# Allegro board 8880F5-0824_updates.brd (continued)
## Routing (per net, layer and track width the routed paths; a pad name or vN(x,y) marks a point on that pad's centre or on a via; arc(x,y) is an arc through that point) (continued)
D130.B14 118.57,81.28 ; D130.B14 119.38,82.09 ; D130.B14 119.38,80.47 ; 27.13,73.66 D126.A7 ; D126.A7 27.94,74.47 ; D126.A7 28.75,73.66 ; D126.A7 27.94,72.85 ; 241.3,70.41 D322.B4 ; D322.B4 241.3,71.83 ; D322.B4 240.59,71.12 ; D322.B4 242.01,71.12 ; D302.B1 307.34,69.29 ; D302.B1 306.63,68.58 ; D302.B1 307.34,67.87 ; D302.B1 308.05,68.58 ; D112.A11 396.24,397.05 ; D112.A11 395.43,396.24 ; D112.A11 397.05,396.24 ; D112.A11 396.24,395.43 ; 123.65,76.2 D130.A16 ; D130.A16 125.27,76.2 ; D130.A16 124.46,77.01 ; D130.A16 124.46,75.39 ; 410.67,396.24 D112.A5 ; D112.A5 412.29,396.24 ; D112.A5 411.48,397.05 ; D112.A5 411.48,395.43 ; D113.A14 314.96,333.55 ; D113.A14 314.15,332.74 ; D113.A14 314.96,331.93 ; D113.A14 315.77,332.74 ; D302.B3 312.42,69.29 ; D302.B3 313.13,68.58 ; D302.B3 311.71,68.58 ; D302.B3 312.42,67.87 ; 322.58,88.19 D301.B7 ; D301.B7 323.29,88.9 ; D301.B7 322.58,89.61 ; D301.B7 321.87,88.9 ; D132.A5 96.52,33.83 ; D132.A5 97.33,33.02 ; D132.A5 96.52,32.21 ; D132.A5 95.71,33.02 ; 420.83,355.6 D110.A1 ; D110.A1 421.64,356.41 ; D110.A1 421.64,354.79 ; D110.A1 422.45,355.6 ; 382.83,91.44 D305.B2 ; D305.B2 383.54,92.15 ; D305.B2 383.54,90.73 ; D305.B2 384.25,91.44 ; CSDPS425.B12 247.19,342.9 ; CSDPS425.B12 246.38,342.09 ; CSDPS425.B12 245.57,342.9 ; CSDPS425.B12 246.38,343.71 ; D109.B6 409.75,327.66 ; D109.B6 408.13,327.66 ; D109.B6 408.94,326.85 ; D109.B6 408.94,328.47 ; D107.A12 408.94,56.69 ; D107.A12 409.75,55.88 ; D107.A12 408.13,55.88 ; D107.A12 408.94,55.07 ; D113.B11 322.58,331.01 ; D113.B11 323.39,330.2 ; D113.B11 322.58,329.39 ; D113.B11 321.77,330.2 ; 243.13,63.5 D322.A5 ; D322.A5 243.84,64.21 ; D322.A5 244.55,63.5 ; D322.A5 243.84,62.79 ; D119.B10 182.88,61.77 ; D119.B10 182.88,60.15 ; D119.B10 183.69,60.96 ; D119.B10 182.07,60.96 ; D130.B3 92.25,78.74 ; D130.B3 91.44,77.93 ; D130.B3 91.44,79.55 ; D120.A8 177.8,36.37 ; D120.A8 176.99,35.56 ; D120.A8 177.8,34.75 ; D120.A8 178.61,35.56 ; D123.B16 272.59,60.96 ; D123.B16 270.97,60.96 ; D123.B16 271.78,60.15 ; D123.B16 271.78,61.77 ; D112.B4 414.83,388.62 ; D112.B4 413.21,388.62 ; D112.B4 414.02,389.43 ; D112.B4 414.02,387.81 ; 169.37,58.42 D119.B5 ; D119.B5 170.18,59.23 ; D119.B5 170.99,58.42 ; 123.65,40.64 D132.B16 ; D132.B16 124.46,41.45 ; D132.B16 125.27,40.64 ; 414.02,90.73 D305.B14 ; D305.B14 413.31,91.44 ; D305.B14 414.02,92.15 ; D305.B14 414.73,91.44 ; 385.37,88.9 D305.B3 ; D305.B3 386.79,88.9 ; D305.B3 386.08,89.61 ; D305.B3 386.08,88.19 ; 261.62,70.41 D322.B12 ; D322.B12 260.91,71.12 ; D322.B12 261.62,71.83 ; D322.B12 262.33,71.12 ; 240.49,81.28 D122.B4 ; D122.B4 241.3,80.47 ; D122.B4 242.11,81.28 ; D122.B4 241.3,82.09 ; 270.97,35.56 D124.A16 ; D124.A16 271.78,36.37 ; D124.A16 271.78,34.75 ; D124.A16 272.59,35.56 ; D431.B15 165.1,381.81 ; D431.B15 164.29,381 ; D431.B15 165.91,381 ; D431.B15 165.1,380.19 ; D120.B12 187.96,41.45 ; D120.B12 187.15,40.64 ; D120.B12 188.77,40.64 ; D120.B12 187.96,39.83 ; D231.A8 182.88,374.19 ; D231.A8 183.69,373.38 ; D231.A8 182.07,373.38 ; D231.A8 182.88,372.57 ; 88.09,40.64 D132.B2 ; D132.B2 89.71,40.64 ; D132.B2 88.9,41.45 ; D132.B2 88.9,39.83 ; 238.76,83.11 D321.A3 ; D321.A3 239.47,83.82 ; D321.A3 238.76,84.53 ; D321.A3 238.05,83.82 ; 309.88,90.73 D301.B2 ; D301.B2 309.17,91.44 ; D301.B2 310.59,91.44 ; D301.B2 309.88,92.15 ; 403.86,326.85 D109.B8 ; D109.B8 403.05,327.66 ; D109.B8 404.67,327.66 ; D109.B8 403.86,328.47 ; D122.A6 247.19,76.2 ; D122.A6 245.57,76.2 ; D122.A6 246.38,75.39 ; D122.A6 246.38,77.01 ; D128.A10 36.37,35.56 ; D128.A10 35.56,36.37 ; D128.A10 34.75,35.56 ; D128.A10 35.56,34.75 ; D120.B6 173.53,40.64 ; D120.B6 172.72,41.45 ; D120.B6 171.91,40.64 ; D120.B6 172.72,39.83 ; 160.02,83.11 D317.A1 ; D317.A1 160.73,83.82 ; D317.A1 159.31,83.82 ; D317.A1 160.02,84.53 ; D102.B14 340.36,82.09 ; D102.B14 341.17,81.28 ; D102.B14 340.36,80.47 ; D102.B14 339.55,81.28 ; D120.A13 191.31,33.02 ; D120.A13 190.5,33.83 ; D120.A13 189.69,33.02 ; D120.A13 190.5,32.21 ; D317.A3 165.1,84.53 ; D317.A3 164.39,83.82 ; D317.A3 165.1,83.11 ; D317.A3 165.81,83.82 ; D104.B4 315.77,40.64 ; D104.B4 314.96,39.83 ; D104.B4 314.15,40.64 ; D104.B4 314.96,41.45 ; DPS8.C01 200.66,411.02 ; DPS8.C01 201.47,410.21 ; DPS8.C01 200.66,409.4 ; DPS8.C01 199.85,410.21 ; D131.A2 89.71,55.88 ; D131.A2 88.9,56.69 ; D131.A2 88.9,55.07 ; D131.A2 88.09,55.88 ; 12.7,32.21 D128.A1 ; D128.A1 12.7,33.83 ; D128.A1 13.51,33.02 ; D128.A1 11.89,33.02 ; 247.85,181.33 SITE3.G1 ; SITE3.G1 248.33,181.81 ; SITE3.G1 248.33,180.85 ; SITE3.G1 248.81,181.33 ; 383.54,352.25 D110.A16 ; D110.A16 383.54,353.87 ; D110.A16 384.35,353.06 ; D110.A16 382.73,353.06 ; 184.61,330.2 CSDPS229.C7 ; CSDPS229.C7 186.23,330.2 ; CSDPS229.C7 185.42,329.39 ; CSDPS229.C7 185.42,331.01 ; D120.B16 198.93,40.64 ; D120.B16 197.31,40.64 ; D120.B16 198.12,41.45 ; D120.B16 198.12,39.83 ; D317.B13 191.21,88.9 ; D317.B13 189.79,88.9 ; D317.B13 190.5,89.61 ; D317.B13 190.5,88.19 ; 342.9,349.71 D114.B3 ; D114.B3 343.71,350.52 ; D114.B3 342.9,351.33 ; D114.B3 342.09,350.52 ; D104.A12 336.09,35.56 ; D104.A12 334.47,35.56 ; D104.A12 335.28,34.75 ; D104.A12 335.28,36.37 ; D322.A10 256.54,66.75 ; D322.A10 257.25,66.04 ; D322.A10 255.83,66.04 ; D322.A10 256.54,65.33 ; D114.A6 335.28,353.87 ; D114.A6 334.47,353.06 ; D114.A6 335.28,352.25 ; D114.A6 336.09,353.06 ; D109.A16 384.35,332.74 ; D109.A16 383.54,333.55 ; D109.A16 382.73,332.74 ; D109.A16 383.54,331.93 ; 388.62,90.73 D305.B4 ; D305.B4 387.91,91.44 ; D305.B4 389.33,91.44 ; D305.B4 388.62,92.15 ; 198.12,90.73 D317.B16 ; D317.B16 198.83,91.44 ; D317.B16 198.12,92.15 ; D317.B16 197.41,91.44 ; CSDPS429.B12 173.53,342.9 ; CSDPS429.B12 172.72,343.71 ; CSDPS429.B12 171.91,342.9 ; CSDPS429.B12 172.72,342.09 ; 335.28,387.81 D116.B6 ; D116.B6 335.28,389.43 ; D116.B6 336.09,388.62 ; D116.B6 334.47,388.62 ; D301.A9 328.37,83.82 ; D301.A9 327.66,84.53 ; D301.A9 326.95,83.82 ; D301.A9 327.66,83.11 ; 246.38,90.73 D321.B6 ; D321.B6 247.09,91.44 ; D321.B6 245.67,91.44 ; D321.B6 246.38,92.15 ; D114.A13 318.31,355.6 ; D114.A13 317.5,356.41 ; D114.A13 317.5,354.79 ; D114.A13 316.69,355.6 ; DPS3.C11 259.89,19.05 ; DPS3.C11 259.08,19.86 ; DPS3.C11 258.27,19.05 ; DPS3.C11 259.08,18.24 ; 268.43,73.66 D122.A15 ; D122.A15 269.24,74.47 ; D122.A15 270.05,73.66 ; D122.A15 269.24,72.85 ; D131.B5 96.52,59.23 ; D131.B5 96.52,57.61 ; D131.B5 97.33,58.42 ; 255.73,55.88 D123.A10 ; D123.A10 256.54,56.69 ; D123.A10 256.54,55.07 ; D123.A10 257.35,55.88 ; D128.B16 50.8,41.45 ; D128.B16 49.99,40.64 ; D128.B16 51.61,40.64 ; D128.B16 50.8,39.83 ; 391.16,390.35 D112.B13 ; D112.B13 391.16,391.97 ; D112.B13 391.97,391.16 ; D112.B13 390.35,391.16 ; D102.A11 333.55,73.66 ; D102.A11 332.74,74.47 ; D102.A11 332.74,72.85 ; D102.A11 331.93,73.66 ; 175.26,32.21 D120.A7 ; D120.A7 175.26,33.83 ; D120.A7 176.07,33.02 ; D120.A7 174.45,33.02 ; 99.06,75.39 D130.A6 ; D130.A6 98.25,76.2 ; D130.A6 99.06,77.01 ; D130.A6 99.87,76.2 ; 380.19,38.1 D108.B1 ; D108.B1 381.81,38.1 ; D108.B1 381,38.91 ; D108.B1 381,37.29 ; 177.8,80.47 D118.B8 ; D118.B8 176.99,81.28 ; D118.B8 178.61,81.28 ; D118.B8 177.8,82.09 ; D102.A15 343.71,73.66 ; D102.A15 342.9,72.85 ; D102.A15 342.9,74.47 ; D102.A15 342.09,73.66 ; D129.A3 92.25,93.98 ; D129.A3 91.44,93.17 ; D129.A3 91.44,94.79 ; 100.79,73.66 D130.A7 ; D130.A7 101.6,74.47 ; D130.A7 101.6,72.85 ; 162.56,65.33 D318.A2 ; D318.A2 162.56,66.75 ; D318.A2 163.27,66.04 ; D318.A2 161.85,66.04 ; 106.68,32.21 D132.A9 ; D132.A9 106.68,33.83 ; D132.A9 107.49,33.02 ; D132.A9 105.87,33.02 ; D317.A15 195.58,84.53 ; D317.A15 194.87,83.82 ; D317.A15 196.29,83.82 ; D317.A15 195.58,83.11 ; D131.B13 116.84,59.23 ; D131.B13 116.84,57.61 ; D131.B13 116.03,58.42 ; D131.B13 117.65,58.42 ; CSDPS425.C3 270.05,340.36 ; CSDPS425.C3 269.24,341.17 ; CSDPS425.C3 269.24,339.55 ; CSDPS425.C3 268.43,340.36 ; D106.B15 416.56,79.55 ; D106.B15 416.56,77.93 ; D106.B15 417.37,78.74 ; D106.B15 415.75,78.74 ; 243.13,83.82 D321.A5 ; D321.A5 244.55,83.82 ; D321.A5 243.84,84.53 ; D321.A5 243.84,83.11 ; 177.8,60.15 D119.B8 ; D119.B8 178.61,60.96 ; D119.B8 176.99,60.96 ; D119.B8 177.8,61.77 ; SITE1.G10 251.81,247.93 ; SITE1.G10 250.85,247.93 ; SITE1.G10 251.33,247.45 ; SITE1.G10 251.33,248.41 ; 161.75,373.38 D231.A16 ; D231.A16 163.37,373.38 ; D231.A16 162.56,374.19 ; D231.A16 162.56,372.57 ; D118.B3 165.91,78.74 ; D118.B3 164.29,78.74 ; D118.B3 165.1,77.93 ; D118.B3 165.1,79.55 ; D108.A11 406.4,33.83 ; D108.A11 405.59,33.02 ; D108.A11 407.21,33.02 ; D108.A11 406.4,32.21 ; 342.9,37.29 D104.B15 ; D104.B15 342.9,38.91 ; D104.B15 343.71,38.1 ; D104.B15 342.09,38.1 ; 386.08,67.87 D306.B3 ; D306.B3 386.79,68.58 ; D306.B3 386.08,69.29 ; D306.B3 385.37,68.58 ; D123.A7 249.73,53.34 ; D123.A7 248.11,53.34 ; D123.A7 248.92,54.15 ; D123.A7 248.92,52.53 ; 187.15,76.2 D118.A12 ; D118.A12 187.96,75.39 ; D118.A12 188.77,76.2 ; D118.A12 187.96,77.01 ; D306.A7 396.95,63.5 ; D306.A7 396.24,62.79 ; D306.A7 396.24,64.21 ; D306.A7 395.53,63.5 ; 344.73,91.44 D301.B16 ; D301.B16 346.15,91.44 ; D301.B16 345.44,92.15 ; D301.B16 345.44,90.73 ; 269.24,18.24 DPS3.C15 ; DPS3.C15 269.24,19.86 ; DPS3.C15 270.05,19.05 ; DPS3.C15 268.43,19.05 ; 266.7,55.07 D123.A14 ; D123.A14 266.7,56.69 ; D123.A14 265.89,55.88 ; D123.A14 267.51,55.88 ; 49.99,81.28 D126.B16 ; D126.B16 50.8,82.09 ; D126.B16 51.61,81.28 ; D126.B16 50.8,80.47 ; DPS2.C15 313.23,410.21 ; DPS2.C15 312.42,409.4 ; DPS2.C15 311.61,410.21 ; DPS2.C15 312.42,411.02 ; 396.24,354.79 D110.A11 ; D110.A11 397.05,355.6 ; D110.A11 395.43,355.6 ; D110.A11 396.24,356.41 ; D113.A9 327.66,336.09 ; D113.A9 328.47,335.28 ; D113.A9 327.66,334.47 ; D113.A9 326.85,335.28 ; DPS3.A15 270.05,13.97 ; DPS3.A15 269.24,13.16 ; DPS3.A15 268.43,13.97 ; DPS3.A15 269.24,14.78 ; D318.A14 193.75,66.04 ; D318.A14 193.04,66.75 ; D318.A14 193.04,65.33 ; D318.A14 192.33,66.04 ; 160.02,88.19 D317.B1 ; D317.B1 159.31,88.9 ; D317.B1 160.73,88.9 ; D317.B1 160.02,89.61 ; 401.32,354.79 D110.A9 ; D110.A9 401.32,356.41 ; D110.A9 402.13,355.6 ; D110.A9 400.51,355.6 ; D431.A15 165.91,386.08 ; D431.A15 165.1,385.27 ; D431.A15 165.1,386.89 ; D431.A15 164.29,386.08 ; D126.A14 46.53,76.2 ; D126.A14 45.72,75.39 ; D126.A14 44.91,76.2 ; D126.A14 45.72,77.01 ; D132.A7 102.41,33.02 ; D132.A7 101.6,33.83 ; D132.A7 101.6,32.21 ; D132.A7 100.79,33.02 ; D112.B9 401.32,391.97 ; D112.B9 402.13,391.16 ; D112.B9 401.32,390.35 ; D112.B9 400.51,391.16 ; 195.58,88.19 D317.B15 ; D317.B15 194.87,88.9 ; D317.B15 195.58,89.61 ; D317.B15 196.29,88.9 ; D123.B11 259.89,58.42 ; D123.B11 258.27,58.42 ; D123.B11 259.08,59.23 ; D123.B11 259.08,57.61 ; D124.B5 244.65,38.1 ; D124.B5 243.84,38.91 ; D124.B5 243.84,37.29 ; D124.B5 243.03,38.1 ; 250.95,246.43 SITE1.G19 ; SITE1.G19 251.43,246.91 ; SITE1.G19 251.43,245.95 ; SITE1.G19 251.91,246.43 ; D129.A14 120.19,96.52 ; D129.A14 118.57,96.52 ; D129.A14 119.38,95.71 ; D129.A14 119.38,97.33 ; D131.B16 124.46,61.77 ; D131.B16 125.27,60.96 ; D131.B16 124.46,60.15 ; D131.B16 123.65,60.96 ; 397.97,332.74 D109.A10 ; D109.A10 399.59,332.74 ; D109.A10 398.78,331.93 ; D109.A10 398.78,333.55 ; 93.17,101.6 D129.B4 ; D129.B4 94.79,101.6 ; D129.B4 93.98,102.41 ; D129.B4 93.98,100.79 ; 265.99,66.04 D322.A14 ; D322.A14 266.7,65.33 ; D322.A14 267.41,66.04 ; D322.A14 266.7,66.75 ; D120.A1 160.83,33.02 ; D120.A1 160.02,32.21 ; D120.A1 160.02,33.83 ; D120.A1 159.21,33.02 ; 386.08,375.11 D111.A15 ; D111.A15 385.27,375.92 ; D111.A15 386.89,375.92 ; D111.A15 386.08,376.73 ; D113.B7 333.55,330.2 ; D113.B7 332.74,331.01 ; D113.B7 331.93,330.2 ; D113.B7 332.74,329.39 ; 327.66,88.19 D301.B9 ; D301.B9 326.95,88.9 ; D301.B9 328.37,88.9 ; D301.B9 327.66,89.61 ; DPS1.C11 406.4,19.86 ; DPS1.C11 405.59,19.05 ; DPS1.C11 407.21,19.05 ; DPS1.C11 406.4,18.24 ; 388.62,372.57 D111.A14 ; D111.A14 388.62,374.19 ; D111.A14 387.81,373.38 ; D111.A14 389.43,373.38 ; D115.A8 331.01,373.38 ; D115.A8 330.2,374.19 ; D115.A8 329.39,373.38 ; D115.A8 330.2,372.57 ; SITE2.G14 330.23,243.31 ; SITE2.G14 330.23,242.35 ; SITE2.G14 330.71,242.83 ; SITE2.G14 329.75,242.83 ; D116.A6 336.09,393.7 ; D116.A6 335.28,394.51 ; D116.A6 335.28,392.89 ; D116.A6 334.47,393.7 ; SITE1.G3 250.33,241.81 ; SITE1.G3 250.81,241.33 ; SITE1.G3 250.33,240.85 ; SITE1.G3 249.85,241.33 ; 410.77,83.82 D305.A13 ; D305.A13 411.48,84.53 ; D305.A13 412.19,83.82 ; 344.63,327.66 D113.B2 ; D113.B2 345.44,326.85 ; D113.B2 346.25,327.66 ; D113.B2 345.44,328.47 ; 415.85,83.82 D305.A15 ; D305.A15 416.56,84.53 ; D305.A15 417.27,83.82 ; D431.A12 173.53,383.54 ; D431.A12 172.72,384.35 ; D431.A12 171.91,383.54 ; D431.A12 172.72,382.73 ; D125.A2 16.05,96.52 ; D125.A2 15.24,97.33 ; D125.A2 15.24,95.71 ; D125.A2 14.43,96.52 ; 24.59,76.2 D126.A6 ; D126.A6 25.4,75.39 ; D126.A6 25.4,77.01 ; D126.A6 26.21,76.2 ; SITE2.G17 329.51,246.43 ; SITE2.G17 329.03,246.91 ; SITE2.G17 329.03,245.95 ; SITE2.G17 328.55,246.43 ; D114.A10 325.12,353.87 ; D114.A10 325.12,352.25 ; D114.A10 325.93,353.06 ; D114.A10 324.31,353.06 ; 410.67,335.28 D109.A5 ; D109.A5 411.48,336.09 ; D109.A5 411.48,334.47 ; D109.A5 412.29,335.28 ; D123.A13 264.97,53.34 ; D123.A13 264.16,54.15 ; D123.A13 264.16,52.53 ; D123.A13 263.35,53.34 ; D305.B11 406.4,89.61 ; D305.B11 405.69,88.9 ; D305.B11 407.11,88.9 ; D305.B11 406.4,88.19 ; 264.16,72.85 D122.A13 ; D122.A13 264.16,74.47 ; D122.A13 263.35,73.66 ; D122.A13 264.97,73.66 ; D113.A8 330.2,333.55 ; D113.A8 331.01,332.74 ; D113.A8 330.2,331.93 ; D113.A8 329.39,332.74 ; 237.95,33.02 D124.A3 ; D124.A3 238.76,32.21 ; D124.A3 239.57,33.02 ; D124.A3 238.76,33.83 ; 413.21,81.28 D106.B14 ; D106.B14 414.02,82.09 ; D106.B14 414.83,81.28 ; D106.B14 414.02,80.47 ; D113.A6 335.28,333.55 ; D113.A6 335.28,331.93 ; D113.A6 336.09,332.74 ; D113.A6 334.47,332.74 ; 177.8,55.07 D119.A8 ; D119.A8 177.8,56.69 ; D119.A8 178.61,55.88 ; D119.A8 176.99,55.88 ; D118.A2 163.37,76.2 ; D118.A2 162.56,75.39 ; D118.A2 161.75,76.2 ; D118.A2 162.56,77.01 ; D302.A8 325.12,66.75 ; D302.A8 324.41,66.04 ; D302.A8 325.83,66.04 ; D302.A8 325.12,65.33 ; DPS1.C01 381,19.86 ; DPS1.C01 381,18.24 ; DPS1.C01 380.19,19.05 ; DPS1.C01 381.81,19.05 ; D114.A7 332.74,356.41 ; D114.A7 331.93,355.6 ; D114.A7 332.74,354.79 ; D114.A7 333.55,355.6 ; 172.72,80.47 D118.B6 ; D118.B6 171.91,81.28 ; D118.B6 172.72,82.09 ; D118.B6 173.53,81.28 ; 96.52,72.85 D130.A5 ; D130.A5 96.52,74.47 ; D130.A5 97.33,73.66 ; 27.94,32.21 D128.A7 ; D128.A7 27.13,33.02 ; D128.A7 27.94,33.83 ; D128.A7 28.75,33.02 ; 400.51,78.74 D106.B9 ; D106.B9 401.32,77.93 ; D106.B9 402.13,78.74 ; D106.B9 401.32,79.55 ; D112.A10 399.59,393.7 ; D112.A10 398.78,394.51 ; D112.A10 397.97,393.7 ; D112.A10 398.78,392.89 ; 184.71,83.82 D317.A11 ; D317.A11 185.42,83.11 ; D317.A11 186.13,83.82 ; D317.A11 185.42,84.53 ; D109.B7 407.21,330.2 ; D109.B7 406.4,331.01 ; D109.B7 405.59,330.2 ; D109.B7 406.4,329.39 ; 233.68,83.11 D321.A1 ; D321.A1 232.97,83.82 ; D321.A1 234.39,83.82 ; D321.A1 233.68,84.53 ; 169.47,63.5 D318.A5 ; D318.A5 170.89,63.5 ; D318.A5 170.18,62.79 ; D318.A5 170.18,64.21 ; D127.B15 49.07,58.42 ; D127.B15 48.26,59.23 ; D127.B15 48.26,57.61 ; D127.B15 47.45,58.42 ; D118.A11 185.42,74.47 ; D118.A11 185.42,72.85 ; D118.A11 186.23,73.66 ; D118.A11 184.61,73.66 ; D124.A6 247.19,35.56 ; D124.A6 246.38,34.75 ; D124.A6 246.38,36.37 ; D124.A6 245.57,35.56 ; D118.A9 181.15,73.66 ; D118.A9 180.34,72.85 ; D118.A9 179.53,73.66 ; D118.A9 180.34,74.47 ; D129.A9 106.68,94.79 ; D129.A9 105.87,93.98 ; D129.A9 106.68,93.17 ; 306.53,73.66 D102.A1 ; D102.A1 307.34,72.85 ; D102.A1 307.34,74.47 ; D102.A1 308.15,73.66 ; 245.57,332.74 CSDPS225.B12 ; CSDPS225.B12 247.19,332.74 ; CSDPS225.B12 246.38,333.55 ; CSDPS225.B12 246.38,331.93 ; D104.B3 313.23,38.1 ; D104.B3 311.61,38.1 ; D104.B3 312.42,37.29 ; D104.B3 312.42,38.91 ; D108.B9 401.32,38.91 ; D108.B9 402.13,38.1 ; D108.B9 401.32,37.29 ; D108.B9 400.51,38.1 ; 309.88,60.15 D103.B2 ; D103.B2 309.88,61.77 ; D103.B2 310.69,60.96 ; D103.B2 309.07,60.96 ; 400.51,370.84 D111.B9 ; D111.B9 402.13,370.84 ; D111.B9 401.32,371.65 ; D111.B9 401.32,370.03 ; 392.89,327.66 D109.B12 ; D109.B12 394.51,327.66 ; D109.B12 393.7,328.47 ; D109.B12 393.7,326.85 ; 17.78,32.21 D128.A3 ; D128.A3 18.59,33.02 ; D128.A3 17.78,33.83 ; D128.A3 16.97,33.02 ; 192.23,342.9 CSDPS429.B4 ; CSDPS429.B4 193.85,342.9 ; CSDPS429.B4 193.04,343.71 ; CSDPS429.B4 193.04,342.09 ; D110.A2 419.1,353.87 ; D110.A2 419.1,352.25 ; D110.A2 418.29,353.06 ; D110.A2 419.91,353.06 ; 164.29,375.92 D231.A15 ; D231.A15 165.1,376.73 ; D231.A15 165.91,375.92 ; D231.A15 165.1,375.11 ; D104.B10 330.2,41.45 ; D104.B10 329.39,40.64 ; D104.B10 330.2,39.83 ; D104.B10 331.01,40.64 ; D119.B14 193.04,61.77 ; D119.B14 193.04,60.15 ; D119.B14 193.85,60.96 ; D119.B14 192.23,60.96 ; 249.03,182.35 SITE3.G13 ; SITE3.G13 249.03,183.31 ; SITE3.G13 248.55,182.83 ; SITE3.G13 249.51,182.83 ; D102.B3 313.23,78.74 ; D102.B3 312.42,79.55 ; D102.B3 311.61,78.74 ; D102.B3 312.42,77.93 ; D126.B13 43.18,79.55 ; D126.B13 43.18,77.93 ; D126.B13 43.99,78.74 ; D126.B13 42.37,78.74 ; 406.4,390.35 D112.B7 ; D112.B7 405.59,391.16 ; D112.B7 407.21,391.16 ; D112.B7 406.4,391.97 ; D111.B7 407.21,370.84 ; D111.B7 405.59,370.84 ; D111.B7 406.4,371.65 ; D111.B7 406.4,370.03 ; 16.97,99.06 D125.B3 ; D125.B3 17.78,99.87 ; D125.B3 18.59,99.06 ; D125.B3 17.78,98.25 ; 165.1,409.4 DPS8.C15 ; DPS8.C15 165.91,410.21 ; DPS8.C15 165.1,411.02 ; DPS8.C15 164.29,410.21 ; D131.A12 114.3,56.69 ; D131.A12 115.11,55.88 ; D131.A12 114.3,55.07 ; D131.A12 113.49,55.88 ; 347.17,415.29 DPS2.A01 ; DPS2.A01 347.98,416.1 ; DPS2.A01 348.79,415.29 ; DPS2.A01 347.98,414.48 ; 321.77,375.92 D115.A11 ; D115.A11 322.58,376.73 ; D115.A11 322.58,375.11 ; D115.A11 323.39,375.92 ; D318.A7 175.26,64.21 ; D318.A7 174.55,63.5 ; D318.A7 175.97,63.5 ; D318.A7 175.26,62.79 ; D317.B12 188.67,91.44 ; D317.B12 187.96,92.15 ; D317.B12 187.25,91.44 ; D317.B12 187.96,90.73 ; 345.44,34.75 D104.A16 ; D104.A16 345.44,36.37 ; D104.A16 344.63,35.56 ; D104.A16 346.25,35.56 ; 309.88,85.65 D301.A2 ; D301.A2 309.17,86.36 ; D301.A2 310.59,86.36 ; D301.A2 309.88,87.07 ; D127.A5 22.86,54.15 ; D127.A5 22.05,53.34 ; D127.A5 22.86,52.53 ; D127.A5 23.67,53.34 ; D110.B11 397.05,350.52 ; D110.B11 396.24,349.71 ; D110.B11 396.24,351.33 ; D110.B11 395.43,350.52 ; D102.B2 310.69,81.28 ; D102.B2 309.07,81.28 ; D102.B2 309.88,80.47 ; 330.23,245.95 SITE2.G18 ; SITE2.G18 330.23,246.91 ; SITE2.G18 329.75,246.43 ; SITE2.G18 330.71,246.43 ; 322.58,77.93 D102.B7 ; D102.B7 321.77,78.74 ; D102.B7 323.39,78.74 ; D102.B7 322.58,79.55 ; D322.B13 264.16,69.29 ; D322.B13 263.45,68.58 ; D322.B13 264.87,68.58 ; D322.B13 264.16,67.87 ; CSDPS429.B10 177.8,343.71 ; CSDPS429.B10 177.8,342.09 ; CSDPS429.B10 178.61,342.9 ; CSDPS429.B10 176.99,342.9 ; 408.23,66.04 D306.A12 ; D306.A12 408.94,66.75 ; D306.A12 408.94,65.33 ; D306.A12 409.65,66.04 ; 39.83,35.56 D128.A12 ; D128.A12 40.64,34.75 ; D128.A12 41.45,35.56 ; D128.A12 40.64,36.37 ; DPS3.C01 233.68,19.86 ; DPS3.C01 233.68,18.24 ; DPS3.C01 232.87,19.05 ; DPS3.C01 234.49,19.05 ; DPS1.A15 417.37,13.97 ; DPS1.A15 416.56,13.16 ; DPS1.A15 415.75,13.97 ; DPS1.A15 416.56,14.78 ; 321.77,53.34 D103.A7 ; D103.A7 322.58,54.15 ; D103.A7 322.58,52.53 ; D103.A7 323.39,53.34 ; D110.B2 419.91,347.98 ; D110.B2 418.29,347.98 ; D110.B2 419.1,348.79 ; D110.B2 419.1,347.17 ; D118.B5 170.18,79.55 ; D118.B5 170.18,77.93 ; D118.B5 170.99,78.74 ; D118.B5 169.37,78.74 ; 34.75,81.28 D126.B10 ; D126.B10 35.56,80.47 ; D126.B10 36.37,81.28 ; D126.B10 35.56,82.09 ; 179.53,386.08 D431.A9 ; D431.A9 180.34,385.27 ; D431.A9 181.15,386.08 ; D431.A9 180.34,386.89 ; D102.B1 308.15,78.74 ; D102.B1 306.53,78.74 ; D102.B1 307.34,79.55 ; D102.B1 307.34,77.93 ; 118.57,60.96 D131.B14 ; D131.B14 119.38,60.15 ; D131.B14 120.19,60.96 ; D131.B14 119.38,61.77 ; 419.1,392.89 D112.A2 ; D112.A2 419.91,393.7 ; D112.A2 419.1,394.51 ; D112.A2 418.29,393.7 ; 320.04,85.65 D301.A6 ; D301.A6 320.75,86.36 ; D301.A6 320.04,87.07 ; D301.A6 319.33,86.36 ; 194.77,38.1 D120.B15 ; D120.B15 196.39,38.1 ; D120.B15 195.58,38.91 ; D120.B15 195.58,37.29 ; 27.94,52.53 D127.A7 ; D127.A7 27.13,53.34 ; D127.A7 28.75,53.34 ; D127.A7 27.94,54.15 ; SITE1.G16 252.63,243.31 ; SITE1.G16 253.11,242.83 ; SITE1.G16 252.63,242.35 ; SITE1.G16 252.15,242.83 ; 187.96,55.07 D119.A12 ; D119.A12 187.15,55.88 ; D119.A12 187.96,56.69 ; D119.A12 188.77,55.88 ; 342.09,396.24 D116.A3 ; D116.A3 342.9,395.43 ; D116.A3 342.9,397.05 ; D116.A3 343.71,396.24 ; CSDPS225.C3 270.05,330.2 ; CSDPS225.C3 269.24,331.01 ; CSDPS225.C3 269.24,329.39 ; CSDPS225.C3 268.43,330.2 ; D106.A5 391.97,73.66 ; D106.A5 390.35,73.66 ; D106.A5 391.16,74.47 ; D106.A5 391.16,72.85 ; 329.49,86.36 D301.A10 ; D301.A10 330.91,86.36 ; D301.A10 330.2,87.07 ; D301.A10 330.2,85.65 ; D302.A3 313.13,63.5 ; D302.A3 312.42,62.79 ; D302.A3 312.42,64.21 ; D302.A3 311.71,63.5 ; 174.45,410.21 DPS8.C11 ; DPS8.C11 175.26,411.02 ; DPS8.C11 176.07,410.21 ; DPS8.C11 175.26,409.4 ; CSDPS229.C15 165.91,330.2 ; CSDPS229.C15 164.29,330.2 ; CSDPS229.C15 165.1,329.39 ; CSDPS229.C15 165.1,331.01 ; D103.B9 327.66,59.23 ; D103.B9 328.47,58.42 ; D103.B9 327.66,57.61 ; D103.B9 326.85,58.42 ; 405.59,38.1 D108.B11 ; D108.B11 406.4,37.29 ; D108.B11 407.21,38.1 ; D108.B11 406.4,38.91 ; D129.B11 112.57,99.06 ; D129.B11 111.76,99.87 ; D129.B11 111.76,98.25 ; D129.B11 110.95,99.06 ; 393.7,90.73 D305.B6 ; D305.B6 393.7,92.15 ; D305.B6 394.41,91.44 ; D305.B6 392.99,91.44 ; 504.01,203.45 S2_I2C.4 ; S2_I2C.4 505.89,203.45 ; S2_I2C.4 504.95,202.51 ; S2_I2C.4 504.95,204.39 ; 11.89,38.1 D128.B1 ; D128.B1 12.7,37.29 ; D128.B1 13.51,38.1 ; D128.B1 12.7,38.91 ; D116.A16 310.69,393.7 ; D116.A16 309.88,394.51 ; D116.A16 309.88,392.89 ; D116.A16 309.07,393.7 ; SITE4.G2 329.81,181.33 ; SITE4.G2 329.33,180.85 ; SITE4.G2 328.85,181.33 ; SITE4.G2 329.33,181.81 ; D127.A8 30.48,56.69 ; D127.A8 29.67,55.88 ; D127.A8 31.29,55.88 ; D127.A8 30.48,55.07 ; D112.A16 383.54,394.51 ; D112.A16 384.35,393.7 ; D112.A16 382.73,393.7 ; D112.A16 383.54,392.89 ; D305.A16 419.1,87.07 ; D305.A16 419.81,86.36 ; D305.A16 418.39,86.36 ; D305.A16 419.1,85.65 ; D124.A14 266.7,36.37 ; D124.A14 265.89,35.56 ; D124.A14 267.51,35.56 ; D124.A14 266.7,34.75 ; D119.A13 191.31,53.34 ; D119.A13 190.5,54.15 ; D119.A13 189.69,53.34 ; D119.A13 190.5,52.53 ; 253.29,63.5 D322.A9 ; D322.A9 254,62.79 ; D322.A9 254,64.21 ; D322.A9 254.71,63.5 ; 160.02,72.85 D118.A1 ; D118.A1 160.83,73.66 ; D118.A1 159.21,73.66 ; D118.A1 160.02,74.47 ; 241.3,65.33 D322.A4 ; D322.A4 242.01,66.04 ; D322.A4 240.59,66.04 ; D322.A4 241.3,66.75 ; 100.79,53.34 D131.A7 ; D131.A7 101.6,54.15 ; D131.A7 101.6,52.53 ; 385.27,53.34 D107.A3 ; D107.A3 386.08,54.15 ; D107.A3 386.08,52.53 ; D107.A3 386.89,53.34 ; D306.B11 407.11,68.58 ; D306.B11 406.4,69.29 ; D306.B11 406.4,67.87 ; D306.B11 405.69,68.58 ; D110.A3 416.56,356.41 ; D110.A3 416.56,354.79 ; D110.A3 417.37,355.6 ; D110.A3 415.75,355.6 ; D317.B7 175.97,88.9 ; D317.B7 175.26,89.61 ; D317.B7 175.26,88.19 ; D317.B7 174.55,88.9 ; 420.83,370.84 D111.B1 ; D111.B1 421.64,370.03 ; D111.B1 421.64,371.65 ; D111.B1 422.45,370.84 ; D128.A2 16.05,35.56 ; D128.A2 15.24,36.37 ; D128.A2 14.43,35.56 ; D128.A2 15.24,34.75 ; 329.03,185.95 SITE4.G17 ; SITE4.G17 329.03,186.91 ; SITE4.G17 329.51,186.43 ; SITE4.G17 328.55,186.43 ; 260.81,60.96 D123.B12 ; D123.B12 261.62,61.77 ; D123.B12 261.62,60.15 ; D123.B12 262.43,60.96 ; D431.B17 160.02,381.81 ; D431.B17 160.83,381 ; D431.B17 160.02,380.19 ; D431.B17 159.21,381 ; SITE3.G10 251.33,188.41 ; SITE3.G10 251.33,187.45 ; SITE3.G10 251.81,187.93 ; SITE3.G10 250.85,187.93 ; D128.B4 20.32,41.45 ; D128.B4 19.51,40.64 ; D128.B4 21.13,40.64 ; D128.B4 20.32,39.83 ; D301.A14 341.07,86.36 ; D301.A14 340.36,85.65 ; D301.A14 339.65,86.36 ; D301.A14 340.36,87.07 ; D107.A13 412.29,53.34 ; D107.A13 411.48,52.53 ; D107.A13 410.67,53.34 ; D107.A13 411.48,54.15 ; SITE4.G5 332.33,181.81 ; SITE4.G5 331.85,181.33 ; SITE4.G5 332.81,181.33 ; SITE4.G5 332.33,180.85 ; SITE4.G19 331.43,186.91 ; SITE4.G19 331.43,185.95 ; SITE4.G19 331.91,186.43 ; SITE4.G19 330.95,186.43 ; 233.68,52.53 D123.A1 ; D123.A1 233.68,54.15 ; D123.A1 232.87,53.34 ; D123.A1 234.49,53.34 ; 15.24,39.83 D128.B2 ; D128.B2 14.43,40.64 ; D128.B2 16.05,40.64 ; D128.B2 15.24,41.45 ; D321.B13 264.16,89.61 ; D321.B13 263.45,88.9 ; D321.B13 264.87,88.9 ; D321.B13 264.16,88.19 ; D318.B14 193.75,71.12 ; D318.B14 193.04,71.83 ; D318.B14 193.04,70.41 ; D318.B14 192.33,71.12 ; D113.B10 325.12,328.47 ; D113.B10 325.12,326.85 ; D113.B10 325.93,327.66 ; D113.B10 324.31,327.66 ; 327.66,77.93 D102.B9 ; D102.B9 328.47,78.74 ; D102.B9 327.66,79.55 ; D102.B9 326.85,78.74 ; 24.59,81.28 D126.B6 ; D126.B6 25.4,82.09 ; D126.B6 25.4,80.47 ; D126.B6 26.21,81.28 ; D131.B9 106.68,59.23 ; D131.B9 106.68,57.61 ; D131.B9 105.87,58.42 ; D124.A15 269.24,33.83 ; D124.A15 270.05,33.02 ; D124.A15 268.43,33.02 ; D124.A15 269.24,32.21 ; 306.63,83.82 D301.A1 ; D301.A1 307.34,84.53 ; D301.A1 308.05,83.82 ; 121.11,58.42 D131.B15 ; D131.B15 121.92,57.61 ; D131.B15 122.73,58.42 ; D131.B15 121.92,59.23 ; D124.A1 233.68,33.83 ; D124.A1 233.68,32.21 ; D124.A1 234.49,33.02 ; D124.A1 232.87,33.02 ; 269.24,37.29 D124.B15 ; D124.B15 268.43,38.1 ; D124.B15 269.24,38.91 ; D124.B15 270.05,38.1 ; SITE4.G14 330.23,183.31 ; SITE4.G14 330.71,182.83 ; SITE4.G14 329.75,182.83 ; SITE4.G14 330.23,182.35 ; 266.7,70.41 D322.B14 ; D322.B14 265.99,71.12 ; D322.B14 267.41,71.12 ; D322.B14 266.7,71.83 ; D109.A12 394.51,332.74 ; D109.A12 393.7,333.55 ; D109.A12 392.89,332.74 ; D109.A12 393.7,331.93 ; 395.53,88.9 D305.B7 ; D305.B7 396.24,88.19 ; D305.B7 396.24,89.61 ; D305.B7 396.95,88.9 ; D125.A6 25.4,97.33 ; D125.A6 24.59,96.52 ; D125.A6 26.21,96.52 ; D125.A6 25.4,95.71 ; 250.23,185.95 SITE3.G18 ; SITE3.G18 250.23,186.91 ; SITE3.G18 250.71,186.43 ; SITE3.G18 249.75,186.43 ; 386.08,32.21 D108.A3 ; D108.A3 385.27,33.02 ; D108.A3 386.89,33.02 ; D108.A3 386.08,33.83 ; 322.58,349.71 D114.B11 ; D114.B11 322.58,351.33 ; D114.B11 321.77,350.52 ; D114.B11 323.39,350.52 ; D122.A11 259.89,73.66 ; D122.A11 259.08,74.47 ; D122.A11 259.08,72.85 ; D122.A11 258.27,73.66 ; 162.56,85.65 D317.A2 ; D317.A2 161.85,86.36 ; D317.A2 162.56,87.07 ; D317.A2 163.27,86.36 ; 337.11,83.82 D301.A13 ; D301.A13 337.82,84.53 ; D301.A13 337.82,83.11 ; D301.A13 338.53,83.82 ; 252.15,186.43 SITE3.G20 ; SITE3.G20 252.63,185.95 ; SITE3.G20 252.63,186.91 ; SITE3.G20 253.11,186.43 ; D123.A4 241.3,56.69 ; D123.A4 241.3,55.07 ; D123.A4 240.49,55.88 ; D123.A4 242.11,55.88 ; 22.86,37.29 D128.B5 ; D128.B5 22.86,38.91 ; D128.B5 22.05,38.1 ; D128.B5 23.67,38.1 ; SITE4.G12 333.33,188.41 ; SITE4.G12 332.85,187.93 ; SITE4.G12 333.33,187.45 ; SITE4.G12 333.81,187.93 ; D431.B8 182.88,379.27 ; D431.B8 182.07,378.46 ; D431.B8 183.69,378.46 ; D431.B8 182.88,377.65 ; D118.A7 176.07,73.66 ; D118.A7 175.26,72.85 ; D118.A7 174.45,73.66 ; D118.A7 175.26,74.47 ; 340.36,55.07 D103.A14 ; D103.A14 341.17,55.88 ; D103.A14 339.55,55.88 ; D103.A14 340.36,56.69 ; 259.08,52.53 D123.A11 ; D123.A11 259.08,54.15 ; D123.A11 258.27,53.34 ; D123.A11 259.89,53.34 ; 99.06,95.71 D129.A6 ; D129.A6 99.87,96.52 ; D129.A6 98.25,96.52 ; D129.A6 99.06,97.33 ; 40.64,80.47 D126.B12 ; D126.B12 40.64,82.09 ; D126.B12 41.45,81.28 ; D126.B12 39.83,81.28 ; 326.85,391.16 D116.B9 ; D116.B9 328.47,391.16 ; D116.B9 327.66,390.35 ; D116.B9 327.66,391.97 ; 180.34,32.21 D120.A9 ; D120.A9 181.15,33.02 ; D120.A9 179.53,33.02 ; D120.A9 180.34,33.83 ; D131.A6 99.06,56.69 ; D131.A6 98.25,55.88 ; D131.A6 99.06,55.07 ; D131.A6 99.87,55.88 ; D306.A15 417.27,63.5 ; D306.A15 415.85,63.5 ; D306.A15 416.56,62.79 ; D306.A15 416.56,64.21 ; D113.A13 317.5,336.09 ; D113.A13 318.31,335.28 ; D113.A13 317.5,334.47 ; D113.A13 316.69,335.28 ; D123.A15 269.24,54.15 ; D123.A15 270.05,53.34 ; D123.A15 268.43,53.34 ; D123.A15 269.24,52.53 ; D431.B4 193.85,378.46 ; D431.B4 193.04,377.65 ; D431.B4 193.04,379.27 ; D431.B4 192.23,378.46 ; CSDPS425.B8 257.35,342.9 ; CSDPS425.B8 256.54,343.71 ; CSDPS425.B8 256.54,342.09 ; CSDPS425.B8 255.73,342.9 ; 187.25,86.36 D317.A12 ; D317.A12 187.96,87.07 ; D317.A12 187.96,85.65 ; D317.A12 188.67,86.36 ; 235.41,342.9 CSDPS425.B16 ; CSDPS425.B16 237.03,342.9 ; CSDPS425.B16 236.22,343.71 ; CSDPS425.B16 236.22,342.09 ; D112.A1 421.64,397.05 ; D112.A1 421.64,395.43 ; D112.A1 420.83,396.24 ; D112.A1 422.45,396.24 ; 170.18,37.29 D120.B5 ; D120.B5 169.37,38.1 ; D120.B5 170.18,38.91 ; D120.B5 170.99,38.1 ; D125.B14 46.53,101.6 ; D125.B14 45.72,102.41 ; D125.B14 45.72,100.79 ; D125.B14 44.91,101.6 ; D317.B6 173.43,91.44 ; D317.B6 172.01,91.44 ; D317.B6 172.72,90.73 ; D317.B6 172.72,92.15 ; 419.1,65.33 D306.A16 ; D306.A16 418.39,66.04 ; D306.A16 419.81,66.04 ; D306.A16 419.1,66.75 ; D106.A1 381,74.47 ; D106.A1 381.81,73.66 ; D106.A1 380.19,73.66 ; D106.A1 381,72.85 ; 416.56,334.47 D109.A3 ; D109.A3 415.75,335.28 ; D109.A3 416.56,336.09 ; D109.A3 417.37,335.28 ; D103.B8 325.12,61.77 ; D103.B8 324.31,60.96 ; D103.B8 325.12,60.15 ; D103.B8 325.93,60.96 ; 170.18,385.27 D431.A13 ; D431.A13 170.99,386.08 ; D431.A13 169.37,386.08 ; D431.A13 170.18,386.89 ; D431.A4 193.85,383.54 ; D431.A4 193.04,382.73 ; D431.A4 192.23,383.54 ; D431.A4 193.04,384.35 ; 182.88,75.39 D118.A10 ; D118.A10 183.69,76.2 ; D118.A10 182.07,76.2 ; D118.A10 182.88,77.01 ; 180.34,83.11 D317.A9 ; D317.A9 181.05,83.82 ; D317.A9 179.63,83.82 ; D317.A9 180.34,84.53 ; 187.15,332.74 CSDPS229.B6 ; CSDPS229.B6 187.96,331.93 ; CSDPS229.B6 188.77,332.74 ; CSDPS229.B6 187.96,333.55 ; 42.37,99.06 D125.B13 ; D125.B13 43.18,99.87 ; D125.B13 43.99,99.06 ; D125.B13 43.18,98.25 ; 170.18,83.11 D317.A5 ; D317.A5 170.18,84.53 ; D317.A5 170.89,83.82 ; D317.A5 169.47,83.82 ; 243.13,68.58 D322.B5 ; D322.B5 243.84,69.29 ; D322.B5 244.55,68.58 ; D322.B5 243.84,67.87 ; D126.B7 28.75,78.74 ; D126.B7 27.94,79.55 ; D126.B7 27.13,78.74 ; D126.B7 27.94,77.93 ; D130.B13 116.84,79.55 ; D130.B13 117.65,78.74 ; D130.B13 116.84,77.93 ; D130.B13 116.03,78.74 ; 182.88,39.83 D120.B10 ; D120.B10 182.07,40.64 ; D120.B10 183.69,40.64 ; D120.B10 182.88,41.45 ; 387.81,327.66 D109.B14 ; D109.B14 388.62,328.47 ; D109.B14 388.62,326.85 ; D109.B14 389.43,327.66 ; 184.71,68.58 D318.B11 ; D318.B11 185.42,69.29 ; D318.B11 185.42,67.87 ; D318.B11 186.13,68.58 ; 382.73,40.64 D108.B2 ; D108.B2 383.54,41.45 ; D108.B2 383.54,39.83 ; D108.B2 384.35,40.64 ; D123.A2 236.22,56.69 ; D123.A2 236.22,55.07 ; D123.A2 235.41,55.88 ; D123.A2 237.03,55.88 ; 30.48,80.47 D126.B8 ; D126.B8 30.48,82.09 ; D126.B8 29.67,81.28 ; D126.B8 31.29,81.28 ; D102.A8 325.93,76.2 ; D102.A8 325.12,77.01 ; D102.A8 324.31,76.2 ; D102.A8 325.12,75.39 ; D108.B13 412.29,38.1 ; D108.B13 411.48,38.91 ; D108.B13 411.48,37.29 ; D108.B13 410.67,38.1 ; D302.B14 340.36,71.83 ; D302.B14 339.65,71.12 ; D302.B14 341.07,71.12 ; D302.B14 340.36,70.41 ; 192.23,55.88 D119.A14 ; D119.A14 193.04,56.69 ; D119.A14 193.04,55.07 ; D119.A14 193.85,55.88 ; 327.85,241.33 SITE2.G1 ; SITE2.G1 328.81,241.33 ; SITE2.G1 328.33,241.81 ; SITE2.G1 328.33,240.85 ; 416.56,18.24 DPS1.C15 ; DPS1.C15 416.56,19.86 ; DPS1.C15 417.37,19.05 ; DPS1.C15 415.75,19.05 ; 164.29,415.29 DPS8.A15 ; DPS8.A15 165.1,414.48 ; DPS8.A15 165.1,416.1 ; DPS8.A15 165.91,415.29 ; 32.21,53.34 D127.A9 ; D127.A9 33.83,53.34 ; D127.A9 33.02,52.53 ; D127.A9 33.02,54.15 ; CSDPS229.B14 168.45,332.74 ; CSDPS229.B14 167.64,333.55 ; CSDPS229.B14 167.64,331.93 ; CSDPS229.B14 166.83,332.74 ; 238.76,52.53 D123.A3 ; D123.A3 238.76,54.15 ; D123.A3 237.95,53.34 ; D123.A3 239.57,53.34 ; D321.B15 269.24,89.61 ; D321.B15 268.53,88.9 ; D321.B15 269.95,88.9 ; D321.B15 269.24,88.19 ; 184.71,63.5 D318.A11 ; D318.A11 186.13,63.5 ; D318.A11 185.42,62.79 ; D318.A11 185.42,64.21 ; 311.61,33.02 D104.A3 ; D104.A3 313.23,33.02 ; D104.A3 312.42,32.21 ; D104.A3 312.42,33.83 ; SITE2.G11 332.33,248.41 ; SITE2.G11 331.85,247.93 ; SITE2.G11 332.81,247.93 ; SITE2.G11 332.33,247.45 ; D116.B5 338.63,391.16 ; D116.B5 337.01,391.16 ; D116.B5 337.82,390.35 ; D116.B5 337.82,391.97 ; D125.B6 26.21,101.6 ; D125.B6 25.4,100.79 ; D125.B6 25.4,102.41 ; D125.B6 24.59,101.6 ; D114.A8 330.2,353.87 ; D114.A8 329.39,353.06 ; D114.A8 331.01,353.06 ; D114.A8 330.2,352.25 ; D107.B7 397.05,58.42 ; D107.B7 395.43,58.42 ; D107.B7 396.24,59.23 ; D107.B7 396.24,57.61 ; 332.15,186.43 SITE4.G20 ; SITE4.G20 332.63,186.91 ; SITE4.G20 333.11,186.43 ; SITE4.G20 332.63,185.95 ; 190.5,380.19 D431.B5 ; D431.B5 190.5,381.81 ; D431.B5 189.69,381 ; D431.B5 191.31,381 ; UNK2U1.4 482.59,229.49 ; UNK2U1.4 481.65,228.55 ; UNK2U1.4 483.53,228.55 ; UNK2U1.4 482.59,227.61 ; 256.54,331.93 CSDPS225.B8 ; CSDPS225.B8 255.73,332.74 ; CSDPS225.B8 256.54,333.55 ; CSDPS225.B8 257.35,332.74 ; D131.B3 92.25,58.42 ; D131.B3 91.44,57.61 ; D131.B3 91.44,59.23 ; 184.61,78.74 D118.B11 ; D118.B11 186.23,78.74 ; D118.B11 185.42,77.93 ; D118.B11 185.42,79.55 ; D109.B4 414.83,327.66 ; D109.B4 414.02,326.85 ; D109.B4 413.21,327.66 ; D109.B4 414.02,328.47 ; 14.43,55.88 D127.A2 ; D127.A2 15.24,56.69 ; D127.A2 16.05,55.88 ; 330.85,241.33 SITE2.G4 ; SITE2.G4 331.33,240.85 ; SITE2.G4 331.81,241.33 ; SITE2.G4 331.33,241.81 ; D130.A14 119.38,77.01 ; D130.A14 118.57,76.2 ; D130.A14 120.19,76.2 ; D130.A14 119.38,75.39 ; 100.79,78.74 D130.B7 ; D130.B7 101.6,77.93 ; D130.B7 101.6,79.55 ; D305.A1 381.71,83.82 ; D305.A1 381,84.53 ; D305.A1 380.29,83.82 ; 246.38,39.83 D124.B6 ; D124.B6 245.57,40.64 ; D124.B6 247.19,40.64 ; D124.B6 246.38,41.45 ; D112.A14 389.43,393.7 ; D112.A14 388.62,392.89 ; D112.A14 388.62,394.51 ; D112.A14 387.81,393.7 ; D321.A8 251.46,87.07 ; D321.A8 250.75,86.36 ; D321.A8 251.46,85.65 ; D321.A8 252.17,86.36 ; 345.44,387.81 D116.B2 ; D116.B2 345.44,389.43 ; D116.B2 344.63,388.62 ; D116.B2 346.25,388.62 ; D305.B1 381.71,88.9 ; D305.B1 381,89.61 ; D305.B1 381,88.19 ; D305.B1 380.29,88.9 ; D132.A13 117.65,33.02 ; D132.A13 116.84,33.83 ; D132.A13 116.84,32.21 ; D132.A13 116.03,33.02 ; D110.B16 383.54,348.79 ; D110.B16 383.54,347.17 ; D110.B16 384.35,347.98 ; D110.B16 382.73,347.98 ; 248.11,330.2 CSDPS225.C11 ; CSDPS225.C11 248.92,331.01 ; CSDPS225.C11 249.73,330.2 ; CSDPS225.C11 248.92,329.39 ; D116.A2 346.25,393.7 ; D116.A2 345.44,392.89 ; D116.A2 344.63,393.7 ; D116.A2 345.44,394.51 ; D306.A3 386.08,64.21 ; D306.A3 386.08,62.79 ; D306.A3 386.79,63.5 ; D306.A3 385.37,63.5 ; 337.82,37.29 D104.B13 ; D104.B13 338.63,38.1 ; D104.B13 337.01,38.1 ; D104.B13 337.82,38.91 ; 321.87,68.58 D302.B7 ; D302.B7 323.29,68.58 ; D302.B7 322.58,69.29 ; D302.B7 322.58,67.87 ; 104.14,100.79 D129.B8 ; D129.B8 103.33,101.6 ; D129.B8 104.95,101.6 ; D129.B8 104.14,102.41 ; 347.98,349.71 D114.B1 ; D114.B1 347.17,350.52 ; D114.B1 348.79,350.52 ; D114.B1 347.98,351.33 ; SITE3.G3 250.33,181.81 ; SITE3.G3 250.81,181.33 ; SITE3.G3 250.33,180.85 ; SITE3.G3 249.85,181.33 ; 381,67.87 D306.B1 ; D306.B1 380.29,68.58 ; D306.B1 381,69.29 ; D306.B1 381.71,68.58 ; D317.B14 193.75,91.44 ; D317.B14 192.33,91.44 ; D317.B14 193.04,90.73 ; D317.B14 193.04,92.15 ; CSDPS225.C5 264.16,331.01 ; CSDPS225.C5 263.35,330.2 ; CSDPS225.C5 264.97,330.2 ; CSDPS225.C5 264.16,329.39 ; 243.03,78.74 D122.B5 ; D122.B5 243.84,79.55 ; D122.B5 243.84,77.93 ; D122.B5 244.65,78.74 ; 410.67,375.92 D111.A5 ; D111.A5 411.48,376.73 ; D111.A5 411.48,375.11 ; D111.A5 412.29,375.92 ; DPS1.C05 391.16,19.86 ; DPS1.C05 391.16,18.24 ; DPS1.C05 390.35,19.05 ; DPS1.C05 391.97,19.05 ; 388.62,80.47 D106.B4 ; D106.B4 387.81,81.28 ; D106.B4 389.43,81.28 ; D106.B4 388.62,82.09 ; 416.56,88.19 D305.B15 ; D305.B15 416.56,89.61 ; D305.B15 415.85,88.9 ; D305.B15 417.27,88.9 ; D318.A9 180.34,64.21 ; D318.A9 181.05,63.5 ; D318.A9 179.63,63.5 ; D318.A9 180.34,62.79 ; 331.93,350.52 D114.B7 ; D114.B7 332.74,349.71 ; D114.B7 333.55,350.52 ; D114.B7 332.74,351.33 ; 339.55,76.2 D102.A14 ; D102.A14 340.36,75.39 ; D102.A14 341.17,76.2 ; D102.A14 340.36,77.01 ; 339.55,353.06 D114.A4 ; D114.A4 341.17,353.06 ; D114.A4 340.36,352.25 ; D114.A4 340.36,353.87 ; 321.77,38.1 D104.B7 ; D104.B7 322.58,38.91 ; D104.B7 323.39,38.1 ; D104.B7 322.58,37.29 ; D111.A2 419.91,373.38 ; D111.A2 418.29,373.38 ; D111.A2 419.1,374.19 ; D111.A2 419.1,372.57 ; 403.86,60.15 D107.B10 ; D107.B10 404.67,60.96 ; D107.B10 403.86,61.77 ; D107.B10 403.05,60.96 ; D102.A4 315.77,76.2 ; D102.A4 314.96,77.01 ; D102.A4 314.15,76.2 ; D102.A4 314.96,75.39 ; D132.B13 117.65,38.1 ; D132.B13 116.03,38.1 ; D132.B13 116.84,38.91 ; D132.B13 116.84,37.29 ; 185.42,385.27 D431.A7 ; D431.A7 185.42,386.89 ; D431.A7 186.23,386.08 ; D431.A7 184.61,386.08 ; D112.A7 406.4,397.05 ; D112.A7 405.59,396.24 ; D112.A7 407.21,396.24 ; D112.A7 406.4,395.43 ; D130.A4 93.98,77.01 ; D130.A4 93.98,75.39 ; D130.A4 94.79,76.2 ; D130.A4 93.17,76.2 ; D124.B11 259.08,38.91 ; D124.B11 258.27,38.1 ; D124.B11 259.08,37.29 ; D124.B11 259.89,38.1 ; 187.15,383.54 D431.A6 ; D431.A6 187.96,382.73 ; D431.A6 188.77,383.54 ; D431.A6 187.96,384.35 ; 250.65,76.2 D122.A8 ; D122.A8 252.27,76.2 ; D122.A8 251.46,77.01 ; D122.A8 251.46,75.39 ; 124.46,100.79 D129.B16 ; D129.B16 123.65,101.6 ; D129.B16 125.27,101.6 ; D129.B16 124.46,102.41 ; D119.B15 195.58,59.23 ; D119.B15 196.39,58.42 ; D119.B15 194.77,58.42 ; D131.B8 104.14,61.77 ; D131.B8 104.14,60.15 ; D131.B8 103.33,60.96 ; D131.B8 104.95,60.96 ; D110.A15 386.89,355.6 ; D110.A15 386.08,356.41 ; D110.A15 385.27,355.6 ; D110.A15 386.08,354.79 ; D118.B16 198.12,82.09 ; D118.B16 198.93,81.28 ; D118.B16 197.31,81.28 ; D118.B16 198.12,80.47 ; D125.B15 49.07,99.06 ; D125.B15 48.26,99.87 ; D125.B15 47.45,99.06 ; D125.B15 48.26,98.25 ; D123.B10 256.54,61.77 ; D123.B10 255.73,60.96 ; D123.B10 256.54,60.15 ; D123.B10 257.35,60.96 ; 314.15,327.66 D113.B14 ; D113.B14 314.96,326.85 ; D113.B14 314.96,328.47 ; D113.B14 315.77,327.66 ; CSDPS225.B16 236.22,333.55 ; CSDPS225.B16 237.03,332.74 ; CSDPS225.B16 235.41,332.74 ; CSDPS225.B16 236.22,331.93 ; SITE1.G13 249.51,242.83 ; SITE1.G13 249.03,242.35 ; SITE1.G13 249.03,243.31 ; SITE1.G13 248.55,242.83 ; SITE1.G17 249.51,246.43 ; SITE1.G17 249.03,246.91 ; SITE1.G17 249.03,245.95 ; SITE1.G17 248.55,246.43 ; 254,88.19 D321.B9 ; D321.B9 253.29,88.9 ; D321.B9 254.71,88.9 ; D321.B9 254,89.61 ; 29.67,101.6 D125.B8 ; D125.B8 30.48,102.41 ; D125.B8 31.29,101.6 ; D125.B8 30.48,100.79 ; D431.A11 176.07,386.08 ; D431.A11 175.26,385.27 ; D431.A11 175.26,386.89 ; D431.A11 174.45,386.08 ; 398.78,347.17 D110.B10 ; D110.B10 398.78,348.79 ; D110.B10 399.59,347.98 ; D110.B10 397.97,347.98 ; 45.72,55.07 D127.A14 ; D127.A14 46.53,55.88 ; D127.A14 44.91,55.88 ; D127.A14 45.72,56.69 ; 93.17,35.56 D132.A4 94.79,35.56 ; D111.A7 407.21,375.92 ; D111.A7 406.4,375.11 ; D111.A7 406.4,376.73 ; D111.A7 405.59,375.92 ; D124.A10 256.54,36.37 ; D124.A10 257.35,35.56 ; D124.A10 255.73,35.56 ; D124.A10 256.54,34.75 ; D118.A15 195.58,74.47 ; D118.A15 196.39,73.66 ; D118.A15 195.58,72.85 ; D118.A15 194.77,73.66 ; 326.85,33.02 D104.A9 ; D104.A9 328.47,33.02 ; D104.A9 327.66,32.21 ; D104.A9 327.66,33.83 ; 332.74,390.35 D116.B7 ; D116.B7 331.93,391.16 ; D116.B7 333.55,391.16 ; D116.B7 332.74,391.97 ; 400.51,53.34 D107.A9 ; D107.A9 401.32,52.53 ; D107.A9 402.13,53.34 ; D107.A9 401.32,54.15 ; D125.B4 21.13,101.6 ; D125.B4 19.51,101.6 ; D125.B4 20.32,102.41 ; D125.B4 20.32,100.79 ; D116.B4 340.36,389.43 ; D116.B4 339.55,388.62 ; D116.B4 340.36,387.81 ; D116.B4 341.17,388.62 ; 121.11,38.1 D132.B15 ; D132.B15 122.73,38.1 ; D132.B15 121.92,38.91 ; D132.B15 121.92,37.29 ; 327.66,354.79 D114.A9 ; D114.A9 327.66,356.41 ; D114.A9 326.85,355.6 ; D114.A9 328.47,355.6 ; D120.B11 186.23,38.1 ; D120.B11 185.42,37.29 ; D120.B11 184.61,38.1 ; D120.B11 185.42,38.91 ; DPS8.C05 190.5,411.02 ; DPS8.C05 189.69,410.21 ; DPS8.C05 191.31,410.21 ; DPS8.C05 190.5,409.4 ; 169.47,68.58 D318.B5 ; D318.B5 170.18,67.87 ; D318.B5 170.18,69.29 ; D318.B5 170.89,68.58 ; D115.B8 330.2,369.11 ; D115.B8 330.2,367.49 ; D115.B8 331.01,368.3 ; D115.B8 329.39,368.3 ; 195.58,77.93 D118.B15 ; D118.B15 196.39,78.74 ; D118.B15 195.58,79.55 ; D118.B15 194.77,78.74 ; 393.7,347.17 D110.B12 ; D110.B12 393.7,348.79 ; D110.B12 392.89,347.98 ; D110.B12 394.51,347.98 ; UNK2U2.4 482.49,215.88 ; UNK2U2.4 483.43,214.94 ; UNK2U2.4 482.49,214 ; UNK2U2.4 481.55,214.94 ; 316.69,53.34 D103.A5 ; D103.A5 318.31,53.34 ; D103.A5 317.5,52.53 ; D103.A5 317.5,54.15 ; D318.B10 182.88,71.83 ; D318.B10 183.59,71.12 ; D318.B10 182.17,71.12 ; D318.B10 182.88,70.41 ; 415.75,73.66 D106.A15 ; D106.A15 417.37,73.66 ; D106.A15 